# Altium PCB 4th_main.PcbDoc (part 2 of 3)
Units mm, origin at the board's own origin, x right, y up, seen from the top; angles counter-clockwise.
Board outline 130 x 106.5 mm, 2 copper layers (Top Layer, Bottom Layer); 288 components, 276 nets, 1062 pads, 448 vias.
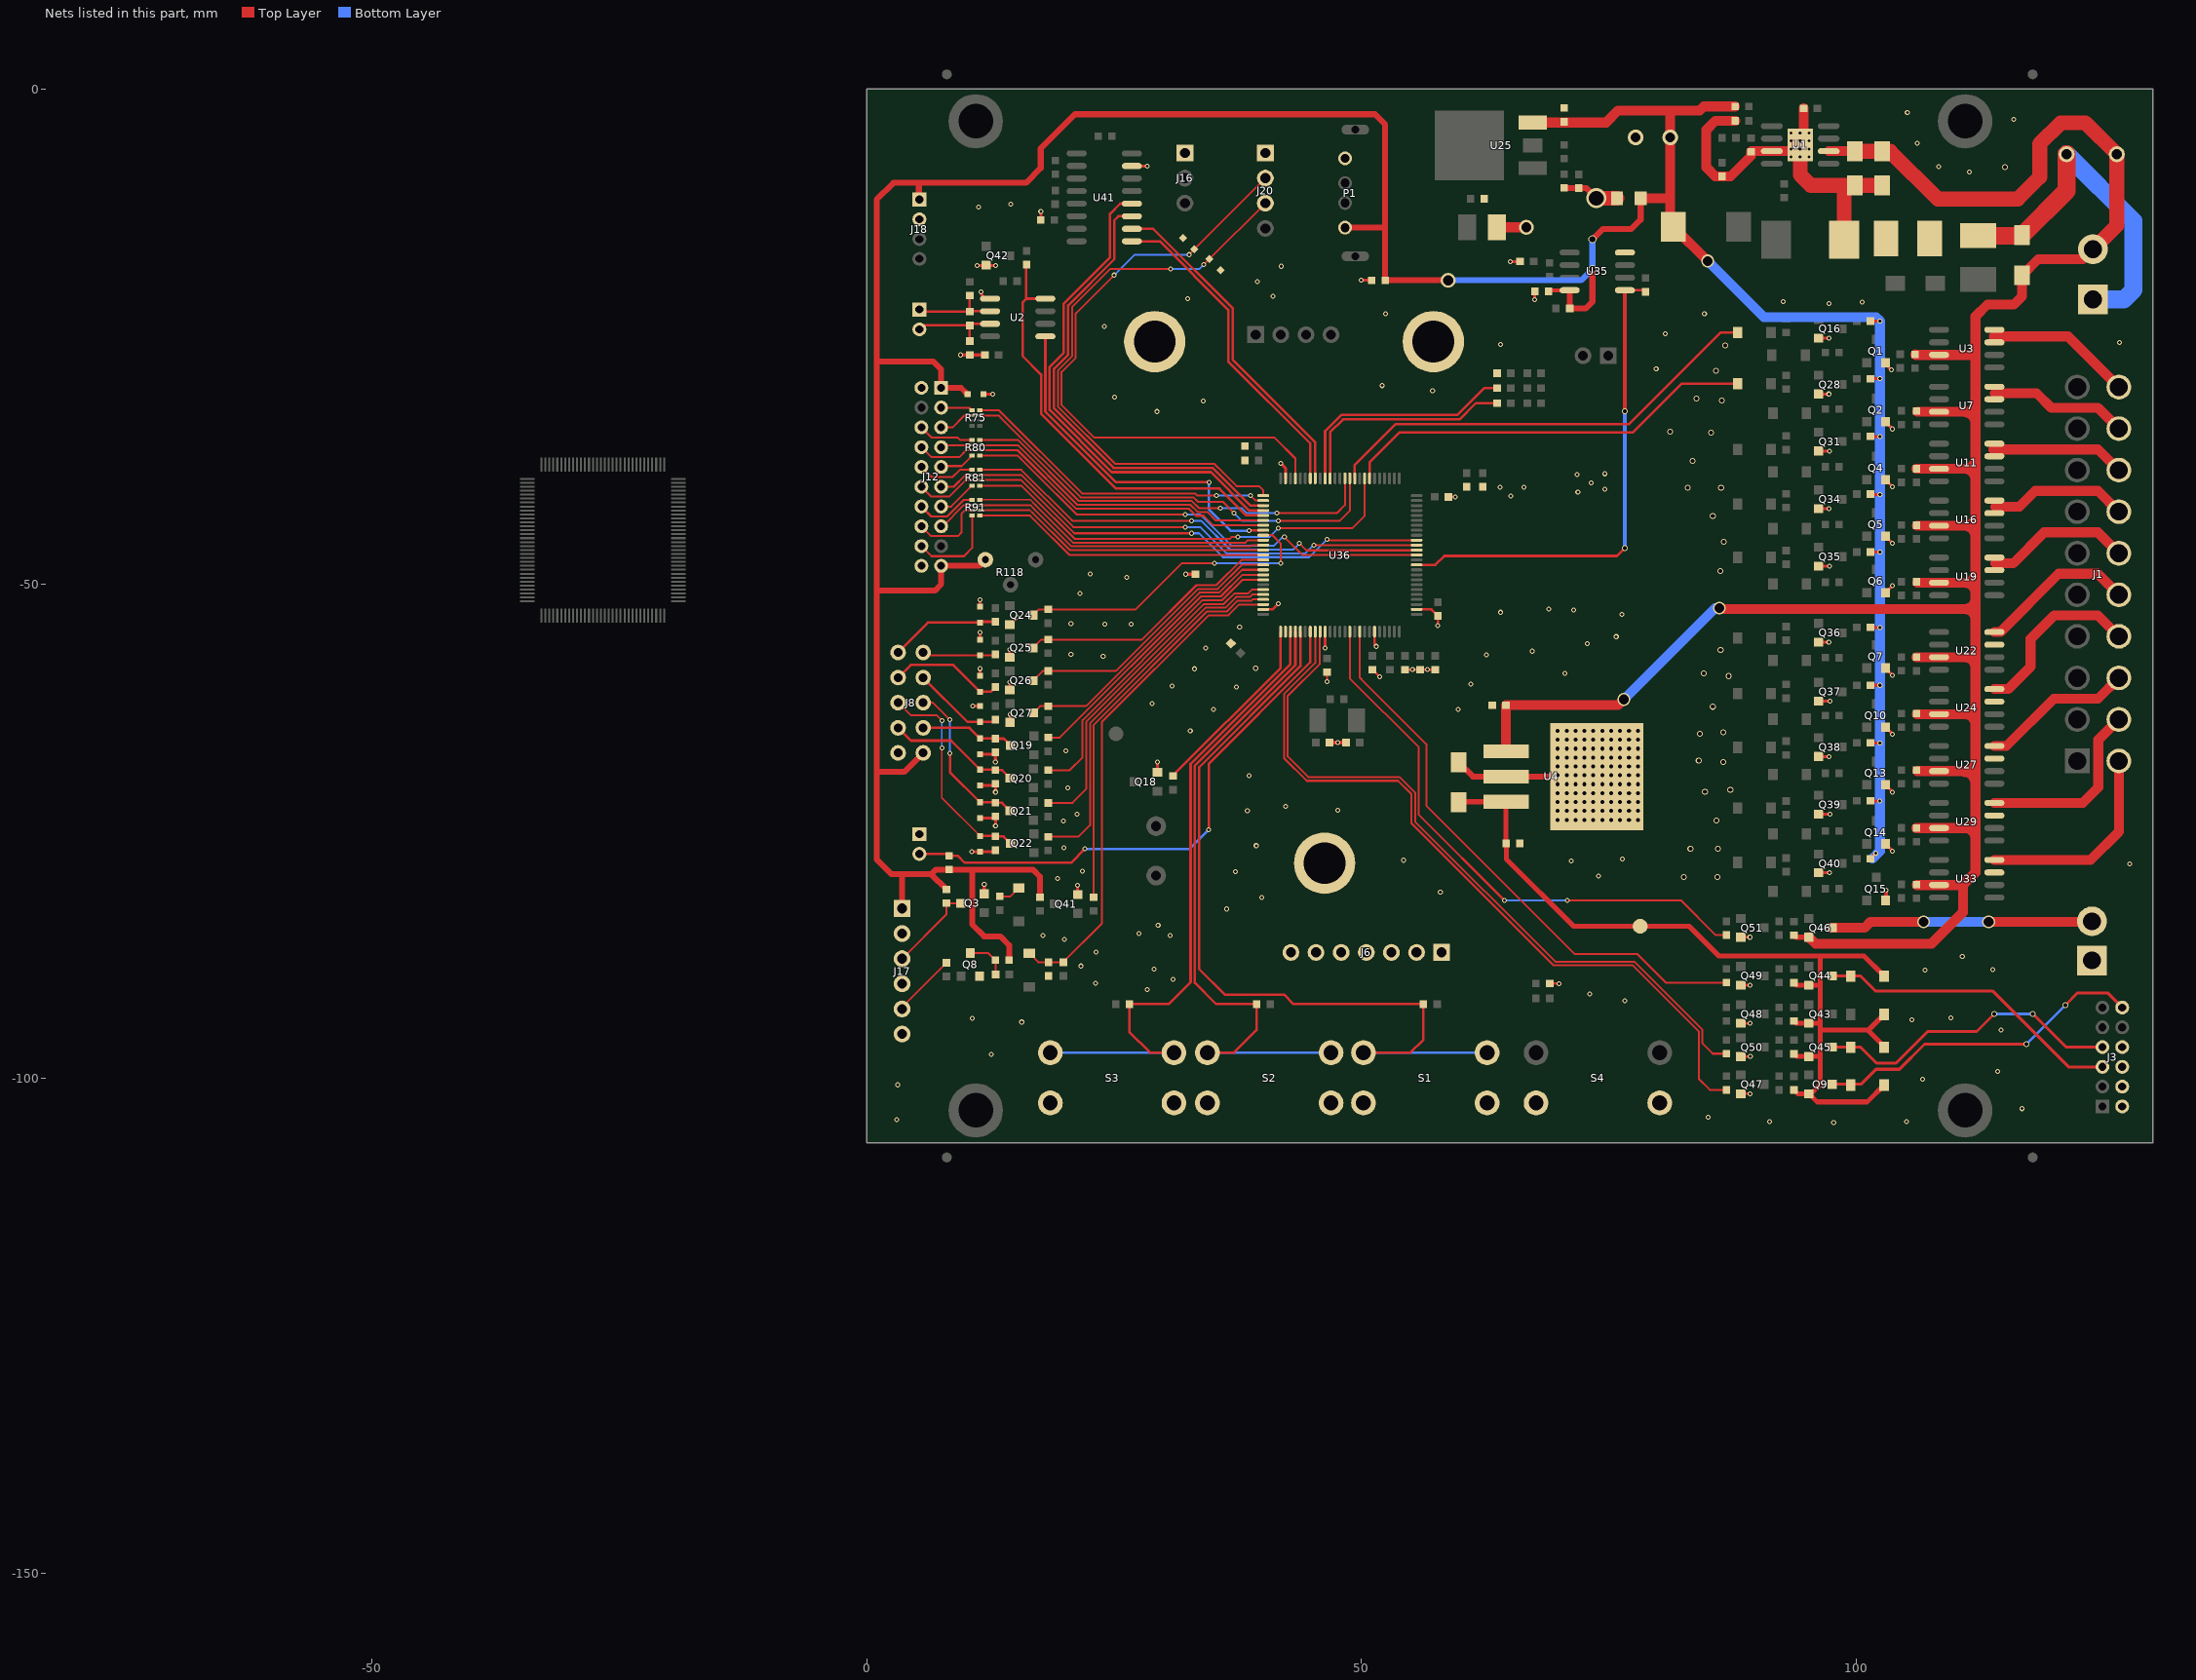
[diagram p2: the nets of this part, all layers, seen from the top]

## Via types
v1: diameter 0.5, hole 0.3, Top Layer to Bottom Layer, tented both sides, 259 vias
v2: diameter 0.6, hole 0.4, Top Layer to Bottom Layer, tented both sides, 152 vias
v3: diameter 1.3, hole 1, Top Layer to Bottom Layer, tented both sides, 13 vias
v4: diameter 1, hole 0.7, Top Layer to Bottom Layer, tented both sides, 10 vias
v5: diameter 0.8, hole 0.6, Top Layer to Bottom Layer, tented both sides, 5 vias
v6: diameter 0.9, hole 0.6, Top Layer to Bottom Layer, tented both sides, 5 vias
v7: diameter 1, hole 0.6, Top Layer to Bottom Layer, tented both sides, 3 vias
v8: diameter 2, hole 1.5, Top Layer to Bottom Layer, tented both sides, 1 vias

## Nets (pads, with @x,y where several pads share a name; then routed paths per layer and width w, separated by ;. In a path a pad name is that pad's centre, name@x,y a point inside that pad or via, vN(x,y) a via of type N, cw(c..) or ccw(c..) an arc to the next point about the centre after c; other vN are vias at no path point) (continued)
5V: C21.1 C24.1 C30.1 C35.2 C36.1 D36.1 J8.10 J12.1 J12.10 J17.1 J18.1 L1.2 P1.1 pad.1@58.75,-19.329 R1.1 R10.1 R18.1 R27.1 R35.1 R37.1 R39.1 R43.1 R45.2 R47.1 R49.1 R51.2 R57.2 R58.2 R74.2 R112.2 R118.3 U25.3 U35.8 | length 379.2
  Top Layer w0.3: R49.1@101.431,-77.794 v1(101.964,-77.261) ; R47.1@101.431,-71.952 v1(102.371,-71.952) ; R43.1@101.431,-66.11 v1(102.396,-66.11) ; R39.1@101.431,-60.268 v1(102.396,-60.268) ; R37.1@101.431,-54.426 v1(102.396,-54.426) ; R35.1@101.431,-46.806 v1(102.396,-46.806) ; R27.1@101.431,-40.964 v1(102.396,-40.964) ; R18.1@101.431,-35.122 v1(102.396,-35.122) ; R10.1@101.431,-29.28 v1(102.396,-29.28) ; R1.1@101.431,-23.438 v1(102.396,-23.438)
  Top Layer w0.4: C35.2@68.897,-20.449 69.019,-20.327 U35.8@71.032,-20.327
  Top Layer w0.6: J17.1@3.56,-82.829 3.56,-79.422 3.607,-79.375 ; J18.1@5.308,-11.158 5.258,-11.108 5.258,-9.47 ; J8.10@5.693,-67.107 3.767,-69.033 0.979,-69.033 ; R45.2@8.042,-80.912 6.506,-79.375 ; D36.1@10.178,-30.857 9.516,-30.195 J12.1@7.508,-30.195 7.508,-28.352 6.685,-27.529 0.979,-27.529 ; 10.631,-78.991 10.631,-84.43 11.851,-85.649 13.476,-85.649 14.378,-86.551 R58.2@14.378,-88.063 ; R118.3@11.972,-47.568 11.346,-48.195 J12.10@7.508,-48.195 7.508,-50.049 6.863,-50.694 0.979,-50.694 ; R57.2@17.491,-81.699 17.491,-79.605 16.816,-78.931 6.95,-78.931 6.506,-79.375 ; P1.1@48.336,-13.998 52.316,-13.998 ; C36.1@52.389,-19.329 v3(58.75,-19.329) ; C36.1@52.389,-19.304 52.389,-3.581 51.343,-2.536 21.024,-2.536 17.566,-5.994 17.566,-7.976 16.071,-9.47 5.258,-9.47 ; U35.8@71.032,-20.327 71.032,-22.175 R74.2@71.031,-22.176 72.642,-22.176 73.33,-21.488 v5(73.33,-18.186) ; v5(73.33,-15.189) 74.397,-14.122 77.267,-14.122 78.207,-13.183 C24.1@78.207,-11.024 ; 0.979,-69.033 0.979,-50.694 ; 0.979,-69.033 0.979,-77.872 2.482,-79.375 3.607,-79.375 ; 0.979,-50.694 0.979,-27.529 ; 0.979,-27.529 0.979,-11.163 2.672,-9.47 5.258,-9.47 ; 3.607,-79.375 6.506,-79.375
  Top Layer w1: U25.3@67.304,-3.37 74.71,-3.37 75.921,-2.159 81.178,-2.159 ; C24.1@78.207,-11.024 81.1,-11.024 ; v3(84.977,-17.374) L1.2@81.517,-13.913 81.201,-13.598 C30.1@81.201,-4.877 81.201,-2.182 81.178,-2.159 ; R51.2@87.753,-1.745 84.589,-1.745 84.176,-2.159 81.178,-2.159
  Bottom Layer w0.6: v3(58.75,-19.329) 72.187,-19.329 v5(73.33,-18.186) v5(73.33,-15.189)
  Bottom Layer w1: v3(84.977,-17.374) 90.661,-23.057 102.015,-23.057 v1(102.396,-23.438) v1(102.396,-29.28) v1(102.396,-35.122) v1(102.396,-40.964) v1(102.396,-46.806) v1(102.396,-54.426) v1(102.396,-60.268) v1(102.396,-66.11) 102.396,-77.032 101.634,-77.794
12V: C4.1 D2.2 D9.2 D11.2 D18.2 D22.2 pad.0@78.156,-84.633 Q9.2 Q43.2 Q44.2 Q45.2 R61.2 R62.2 R66.2 R67.2 U4.3 | length 96.3
  Top Layer w0.5: D2.2@59.858,-72.04 U4.3@64.603,-72.04 C4.1@64.603,-76.16 ; C4.1@64.618,-76.251 64.618,-77.826 71.425,-84.633 pad.0@78.156,-84.633 83.109,-84.633 86.106,-87.63 96.368,-87.63 ; R61.2@93.699,-101.181 94.077,-101.559 Q9.2@95.218,-101.559 ; R67.2@93.699,-97.523 93.976,-97.8 Q45.2@95.218,-97.8 96.357,-97.8 ; R62.2@93.699,-94.221 93.925,-94.447 Q43.2@95.218,-94.447 96.357,-94.447 ; R66.2@93.699,-90.335 93.95,-90.587 Q44.2@95.218,-90.587 96.332,-90.587 ; D9.2@102.776,-93.515 D9.2@102.819,-93.472 ; D22.2@102.789,-100.665 D22.2@102.819,-100.635 ; D22.2@102.81,-100.686 101.108,-102.387 96.046,-102.387 Q9.2@95.218,-101.559 ; D9.2@102.81,-93.548 101.235,-95.123 101.168,-95.123 ; D11.2@102.81,-89.662 100.778,-87.63 96.368,-87.63 ; D18.2@102.819,-96.85 102.819,-96.774 101.168,-95.123 ; Q9.2@95.218,-101.559 95.443,-101.559 96.368,-100.635 96.368,-95.123 ; 96.368,-95.123 96.368,-87.63 ; 96.368,-95.123 101.168,-95.123
24V: C3.1 C27.1 C28.1 C29.1 D23.2 J21.2 Q46.2 R7.1 R16.1 R29.1 R40.1 R53.1 R64.1 R71.1 R78.2 R82.1 R88.1 R96.1 U1.2 U3.3 U4.1 U7.3 U11.3 U16.3 U19.3 U22.3 U24.3 U27.3 U29.3 U33.3 | length 286.1
  Top Layer w0.5: R78.2@93.699,-85.535 93.9,-85.735 Q46.2@95.218,-85.735
  Top Layer w1: U4.1@64.592,-66.949 C3.1@64.592,-62.281 75.921,-62.281 v3(76.505,-61.697) ; v3(86.157,-52.476) 86.241,-52.56 111.964,-52.56 112.048,-52.476 ; Q46.2@95.218,-85.735 95.868,-86.385 107.62,-86.385 110.779,-83.226 110.779,-80.46 ; U1.2@97.212,-6.269 C28.1@99.876,-6.269 ; R7.1@105.952,-26.817 106.001,-26.866 U3.3@108.368,-26.866 112.015,-26.866 ; R88.1@106.086,-74.703 U29.3@108.368,-74.703 112.004,-74.703 ; R64.1@106.086,-57.431 U22.3@108.368,-57.431 111.965,-57.431 ; R29.1@106.086,-38.381 U11.3@108.368,-38.381 111.92,-38.381 ; R96.1@106.128,-80.46 U33.3@108.368,-80.46 110.779,-80.46 ; R71.1@106.128,-63.188 U24.3@108.368,-63.188 112.047,-63.188 ; R40.1@106.128,-44.138 U16.3@108.368,-44.138 111.99,-44.138 ; R82.1@106.171,-68.945 U27.3@108.368,-68.945 112.007,-68.945 ; R53.1@106.171,-49.895 U19.3@108.368,-49.895 111.032,-49.895 ; R16.1@106.171,-32.623 U7.3@108.368,-32.623 112.038,-32.623 ; 111.032,-57.431 cw(c110.947,-58.532) 112.048,-58.617 ; 111.962,-49.895 111.032,-49.895 ; 112.014,-70.224 ccw(c110.913,-70.139) 110.998,-69.037 ccw(c110.956,-67.98) 112.014,-67.938 ; 112.039,-45.332 ccw(c110.938,-45.247) 111.023,-44.145 ccw(c110.982,-43.088) 112.039,-43.046 ; 112.039,-39.566 ccw(c110.938,-39.481) 111.023,-38.379 ccw(c110.982,-37.322) 112.039,-37.28 ; 112.039,-33.851 ccw(c110.938,-33.766) 111.023,-32.664 ccw(c110.982,-31.607) 112.039,-31.565 ; 112.048,-75.889 ccw(c110.947,-75.804) 111.032,-74.703 ccw(c110.99,-73.645) 112.048,-73.603 ; 112.048,-64.375 ccw(c110.947,-64.289) 111.032,-63.188 ccw(c110.99,-62.13) 112.048,-62.089 ; 112.048,-51.453 cw(c110.99,-51.495) 111.032,-52.553 cw(c110.947,-53.654) 112.048,-53.568 ; 112.048,-48.796 cw(c110.99,-48.838) 111.032,-49.895 ; J21.2@123.927,-16.18 122.911,-17.196 118.382,-17.196 D23.2@116.764,-18.814 116.764,-20.93 115.926,-21.768 113.259,-21.768 112.048,-22.978 112.048,-50.911 ; 110.779,-80.46 112.048,-79.191 112.048,-53.568 ; 111.032,-49.895 cw(c110.947,-50.997) 112.048,-50.911 ; 112.048,-53.568 112.048,-52.476 ; 112.048,-52.476 112.048,-51.082 ccw(c110.947,-50.997) 112.048,-50.911
  Top Layer w1.5: C28.1@99.876,-6.269 99.897,-6.291 C29.1@102.623,-6.291 103.42,-6.291 108.229,-11.1 116.335,-11.1 118.542,-8.893 118.542,-5.537 120.675,-3.404 123.165,-3.404 C27.1@126.34,-6.579 126.34,-13.767 J21.2@123.927,-16.18
  Bottom Layer w1: v3(76.505,-61.697) 85.725,-52.476 v3(86.157,-52.476)
485_A: J2.1 R70.1 R77.2 U2.6 | length 8.9
  Top Layer w0.254: J2.1@5.308,-22.282 5.524,-22.499 R70.1@10.397,-22.499 ; R77.2@10.396,-20.86 10.396,-22.497 R70.1@10.397,-22.499 ; U2.6@12.452,-22.449 10.447,-22.449 R70.1@10.397,-22.499
485_B: J2.2 R63.1 R70.2 U2.7 | length 9
  Top Layer w0.254: J2.2@5.308,-24.282 5.707,-23.883 R70.2@10.396,-23.883 ; R63.1@10.397,-25.476 10.396,-25.475 R70.2@10.396,-23.883 ; U2.7@12.452,-23.719 10.559,-23.719 R70.2@10.396,-23.883
485_RX: U2.1 U36.83 | length 36.3
  Top Layer w0.254: U2.1@18.04,-24.989 18.04,-32.609 25.176,-39.745 v1(34.578,-39.745) ; v1(38.642,-44.647) 38.694,-44.596 U36.83@40.061,-44.596
  Bottom Layer w0.254: v1(34.578,-39.745) 34.578,-42.488 36.737,-44.647 v1(38.642,-44.647)
485_TX: R76.1 U2.4 U36.80 | length 44.7
  Top Layer w0.254: R76.1@16.129,-17.729 16.111,-17.747 16.111,-21.179 ; U2.4@18.04,-21.179 16.111,-21.179 ; U36.80@40.061,-43.096 38.335,-43.096 35.619,-40.38 25.2,-40.38 17.608,-32.788 17.608,-28.846 15.731,-26.969 15.731,-21.559 16.111,-21.179
AGND: C27.2 D23.1 J21.1 R103.1 R105.1 | length 35.4
  Top Layer w1.8: R105.1@112.319,-14.818 D23.1@116.71,-14.818 ; D23.1@116.764,-14.764 121.26,-10.269 C27.2@121.26,-6.579
  Bottom Layer w1.8: C27.2@121.26,-6.579 128.016,-13.335 128.016,-20.295 127.051,-21.26 J21.1@123.927,-21.26
BEEP: R119.1 U36.1 | length 19.1
  Top Layer w0.254: R119.1@30.937,-69.444 30.937,-69.378 41.811,-58.504 U36.1@41.811,-54.846
BUTTON1: R149.2 S1.1 U36.5 | length 85.2
  Top Layer w0.254: U36.5@43.811,-54.846 43.811,-58.336 33.579,-68.569 33.579,-88.951 36.17,-91.542 42.164,-91.542 43.128,-92.505 R149.2@56.248,-92.505 56.248,-96.101 54.94,-97.409 S1.1@50.189,-97.409
  Bottom Layer w0.254: S1.1@50.189,-97.409 S1.1@62.689,-97.409
BUTTON2: R150.2 S2.1 U36.4 | length 67.9
  Top Layer w0.254: S2.1@34.415,-97.409 37.109,-97.409 39.383,-95.136 R150.2@39.383,-92.505 35.304,-92.505 33.147,-90.348 33.147,-68.39 43.311,-58.226 U36.4@43.311,-54.846
  Bottom Layer w0.254: S2.1@34.415,-97.409 S2.1@46.915,-97.409
BUTTON3: R151.2 S3.1 U36.3 | length 67.4
  Top Layer w0.254: S3.1@31.04,-97.409 28.626,-97.409 26.53,-95.313 R151.2@26.53,-92.505 30.505,-92.505 32.715,-90.295 32.715,-68.211 42.792,-58.134 42.792,-54.865 U36.3@42.811,-54.846
  Bottom Layer w0.254: S3.1@18.54,-97.409 S3.1@31.04,-97.409
BUTTON4: U36.2
CARD_RX: U36.69 U41.9 | length 33.1
  Top Layer w0.254: U41.9@26.783,-15.385 29.608,-15.385 36.53,-22.307 36.53,-27.529 44.811,-35.81 U36.69@44.811,-39.346
CARD_TX: U36.68 U41.10 | length 34.2
  Top Layer w0.254: U41.10@26.783,-14.115 28.949,-14.115 36.962,-22.128 36.962,-27.35 45.311,-35.699 U36.68@45.311,-39.346
COLD_EN: R100.1 U36.17 | length 58.1
  Top Layer w0.2: U36.17@49.811,-54.846 49.811,-59.5 50.243,-59.931 56.54,-66.229 56.54,-72.441 71.558,-87.459 77.885,-87.459 80.748,-90.322 R100.1@86.868,-90.322
COLD_PWR: D11.1 J3.3 Q44.3 | length 31.1
  Top Layer w0.3: Q44.3@97.568,-89.637 99.399,-89.637 D11.1@99.425,-89.662 100.432,-89.662 101.93,-91.161 113.767,-91.161 121.451,-98.845 J3.3@124.882,-98.845
DOOR: J10.2 R112.1 U36.7 | length 55.6
  Top Layer w0.254: J10.2@5.536,-77.546 J10.2@5.308,-77.318 8.112,-77.318 R112.1@8.311,-77.517 9.2,-77.517 9.886,-78.202 20.654,-78.202 v1(22.047,-76.81) ; v1(34.544,-74.879) 34.544,-68.214 44.811,-57.947 U36.7@44.811,-54.846
  Bottom Layer w0.254: v1(22.047,-76.81) 32.614,-76.81 v1(34.544,-74.879)
DROP_CT: R117.1 U36.97 | length 39.8
  Top Layer w0.2: R117.1@22.925,-81.686 22.925,-64.268 34.387,-52.806 36.383,-52.806 37.47,-51.718 38.86,-51.718 38.982,-51.596 U36.97@40.061,-51.596
DROP_CT_OUT: D55.2 R59.1 | length 2.3
  Top Layer w0.2: R59.1@13.425,-81.61 14.513,-81.61 D55.2@15.367,-80.756
DROP_EN_IN: J17.3 Q3.3 R45.1 | length 8.9
  Top Layer w0.2: J17.3@3.56,-87.909 8.041,-83.429 R45.1@8.041,-82.296 Q3.3@9.507,-82.296
DROP_SIG: C37.1 D8.1 R121.1 U36.98 | length 51
  Top Layer w0.2: D8.1@16.408,-87.36 17.314,-88.265 C37.1@18.353,-88.265 R121.1@19.852,-88.265 23.738,-84.379 23.738,-63.99 34.544,-53.184 36.539,-53.184 37.627,-52.096 U36.98@40.061,-52.096
DROP_SIG_IN: J17.5 R60.1 | length 6.5
  Top Layer w0.2: J17.5@3.56,-92.989 3.56,-92.8 R60.1@8.044,-88.316
DROP_SIG_OUT: Q8.3 R58.1 R122.2 | length 4.3
  Top Layer w0.2: Q8.3@10.454,-87.344 12.276,-87.344 R58.1@12.994,-88.062 12.994,-89.495 R122.2@13.006,-89.508
GLASS_EN: R95.1 U36.8 | length 77.2
  Top Layer w0.2: U36.8@45.311,-54.846 45.311,-58.019 42.158,-61.172 42.158,-67.636 44.446,-69.923 53.68,-69.923 55.029,-71.272 55.029,-74.207 69.414,-88.592 77.415,-88.592 84.074,-95.25 84.074,-100.05 85.192,-101.168 R95.1@86.868,-101.168
GLASS_PWR: D22.1 J3.12 Q9.3 | length 33.8
  Top Layer w0.3: Q9.3@97.568,-100.609 100.482,-100.609 102.006,-99.085 104.369,-99.085 106.909,-96.545 v2(117.196,-96.545) ; v2(121.133,-92.608) 122.377,-91.364 125.401,-91.364 J3.12@126.882,-92.845
  Bottom Layer w0.3: v2(117.196,-96.545) v2(121.133,-92.608)
GND: C3.2 C4.2 C21.2 C22.2 C23.2 C24.2 C28.2 C29.2 C30.2 C35.1 C36.2 C37.2 C39.2 C42.2 C43.2 C44.2 C45.2 C46.2 C47.2 C48.2 C49.2 C50.2 C51.2 C52.2 C53.2 C54.2 C55.1 C56.2 C57.2 C59.2 C60.2 C61.2 C62.1 D2.1 D16.1 D21.2 D24.2 D25.2 D28.2 D29.2 D30.2 D31.2 D32.2 D33.2 D34.2 D35.2 D36.2 J3.7 J3.8 J3.9 J3.10 J5.1 J6.1 J6.2 J6.3 J6.4 J6.5 J6.6 J6.7 J8.9 J10.1 J12.11 J12.20 J16.1 J17.2 J17.4 J17.6 J18.2 J20.1 P1.4 pad.0@66.65,-13.97 pad.5 pad.6 pad.7 Q1.2 Q2.2 Q3.2 Q4.2 Q5.2 Q6.2 Q7.2 Q8.2 Q10.2 Q13.2 Q14.2 Q15.2 Q16.2 Q18.2 Q24.2 Q25.2 Q26.2 Q27.2 Q28.2 Q31.2 Q34.2 Q35.2 Q36.2 Q37.2 Q38.2 Q39.2 Q40.2 Q41.2 Q42.2 Q47.2 Q48.2 Q49.2 Q50.2 Q51.2 R56.1 R63.2 R84.1 R103.2 R108.1 R111.2 R128.1 R129.1 R130.1 R131.1 S1.2 S2.2 S3.2 S4.2 U1.7 U1.9 U2.5 U4.2 U4.4 U35.4 U36.10 U36.20 U36.27 U36.74 U36.99 U41.15 | length 136.4
  Top Layer w0.2: v1(46.514,-59.886) C47.2@46.514,-58.935
  Top Layer w0.254: U36.99@40.061,-52.596 40.98,-52.596 v1(41.563,-52.013) ; v1(46.311,-56.508) U36.10@46.311,-54.846 ; C48.2@51.086,-58.681 v1(51.83,-59.425) ; U36.20@51.312,-54.846 51.312,-56.174 v1(51.469,-56.331) v1@51.342,-56.331 ; C54.2@54.388,-58.681 C56.2@55.912,-58.681 C42.2@57.436,-58.681 ; U36.27@55.561,-52.596 57.067,-52.596 C49.2@57.627,-53.156 ; v1(57.707,-54.256) C49.2@57.707,-53.251 ; C43.2@58.771,-41.22 v1(59.472,-41.22) ; C57.2@69.013,-90.426 v1(69.95,-90.426) ; Q47.2@88.335,-101.559 v1(89.271,-101.559) ; Q50.2@88.335,-97.8 v1(89.291,-97.8) ; Q48.2@88.335,-94.447 v1(89.271,-94.447) ; Q49.2@88.335,-90.587 v1(89.266,-90.587) ; Q51.2@88.335,-85.735 v1(89.245,-85.735)
  Top Layer w0.3: v1(9.463,-26.873) C62.1@11.927,-26.873 ; v1(10.613,-77.096) D28.2@11.439,-77.096 R131.1@12.877,-77.096 ; v1(10.715,-62.364) D32.2@11.439,-62.364 ; v1(11.121,-17.838) Q42.2@12.097,-17.838 ; D29.2@11.439,-73.692 R130.1@12.826,-73.692 ; D30.2@11.439,-70.39 R129.1@12.826,-70.39 ; D31.2@11.439,-67.241 R128.1@12.798,-67.241 ; D33.2@11.439,-59.316 v1(11.439,-58.592) ; D34.2@11.439,-55.658 v1(11.439,-54.934) ; D35.2@11.439,-52.331 v1(11.439,-51.607) ; v1(11.546,-20.498) 11.546,-20.73 U2.5@12.005,-21.189 ; D36.2@11.778,-30.857 v1(12.73,-30.857) ; Q3.2@11.857,-81.346 v1(11.857,-80.372) ; Q42.2@12.067,-17.784 12.133,-17.85 v1(13.013,-17.85) ; U2.5@12.452,-21.179 U2.5@12.005,-21.189 ; U2.5@12.562,-21.069 12.439,-21.162 U2.5@12.005,-21.189 ; v1(12.988,-68.015) R128.1@12.988,-67.241 ; v1(12.991,-74.489) R130.1@12.991,-73.692 ; v1(12.991,-71.06) R129.1@12.991,-70.39 ; Q26.2@14.444,-60.736 v1(14.444,-59.955) ; Q25.2@14.444,-57.434 v1(14.444,-56.645) ; Q24.2@14.444,-54.132 v1(15.166,-53.41) ; Q27.2@14.48,-64.012 v1(14.48,-63.221) ; C46.2@17.573,-13.226 v1(17.573,-12.351) ; Q41.2@21.306,-81.422 v1(21.306,-80.486) ; U41.15@26.783,-7.765 v1(28.317,-7.765) ; Q18.2@29.369,-69.078 v1(29.369,-68.04) ; v1(32.239,-49.04) R111.2@33.219,-49.04 ; v1(41.823,-37.821) 42.311,-38.309 U36.74@42.311,-39.346 ; v1(49.949,-19.328) C36.2@50.903,-19.328 ; v1(65.024,-17.424) R108.1@66.015,-17.424 ; v1(67.513,-21.285) C35.1@67.513,-20.447 ; Q40.2@96.192,-79.227 v1(97.301,-79.227) ; Q39.2@96.192,-73.283 v1(97.326,-73.283) ; Q38.2@96.192,-67.467 v1(97.25,-67.467) ; Q37.2@96.192,-61.879 v1(97.326,-61.879) ; Q36.2@96.192,-55.91 v1(97.225,-55.91) ; Q35.2@96.192,-48.214 v1(97.275,-48.214) ; Q34.2@96.192,-42.422 v1(97.25,-42.422) ; Q31.2@96.192,-36.58 v1(97.275,-36.58) ; Q28.2@96.192,-30.815 v1(97.225,-30.815) ; Q16.2@96.192,-25.176 v1(97.255,-25.176) ; Q14.2@102.965,-76.302 103.666,-77.003 v1(103.666,-77.032) ; Q13.2@102.965,-70.333 103.666,-71.034 v1(103.666,-71.063) ; Q10.2@102.965,-64.491 103.666,-65.192 v1(103.666,-65.221) ; Q7.2@102.965,-58.522 102.965,-58.551 v1(103.666,-59.252) ; Q6.2@102.965,-50.931 Q6.2@102.965,-50.902 v1(103.652,-50.216) ; Q5.2@102.965,-45.187 102.965,-45.216 v1(103.666,-45.917) ; Q4.2@102.965,-39.472 102.965,-39.501 v1(103.666,-40.202) ; Q2.2@102.965,-33.63 102.965,-33.659 v1(103.666,-34.36) ; Q1.2@102.965,-27.661 102.965,-27.817 v1(103.539,-28.391)
  Top Layer w0.4: C45.2@46.757,-66.061 C55.1@48.419,-66.061 ; Q15.2@102.965,-82.017 103.031,-81.951 v1(103.031,-80.969)
  Top Layer w0.6: D2.1@59.799,-68.049 61.251,-69.5 U4.2@64.603,-69.5 U4.4@73.763,-69.5 ; R84.1@70.485,-9.982 72.695,-9.982 v8(73.736,-11.024)
  Top Layer w1: C22.2@63.683,-13.97 v3(66.65,-13.97) ; R56.1@87.766,-3.195 85.759,-3.195 84.845,-4.109 84.845,-7.919 85.746,-8.821 C61.2@86.443,-8.821 87.296,-8.821 89.364,-6.752 C60.2@89.364,-6.331 89.426,-6.269 U1.7@91.464,-6.269 U1.9@93.582,-6.269 ; U1.9@94.687,-4.592 C59.2@94.687,-1.948
  Top Layer w1.5: v8(73.736,-11.024) C24.2@75.807,-11.024 ; U1.9@94.344,-5.633 94.344,-8.67 95.394,-9.72 98.51,-9.72 ; D16.1@98.77,-14.726 98.77,-9.98 98.51,-9.72 ; C29.2@102.623,-9.72 C28.2@99.855,-9.72 98.51,-9.72
  Top Layer w1.8: D16.1@98.77,-15.234 D16.1@98.77,-14.726 ; R103.2@102.914,-14.726 R103.2@103.015,-14.828
  other v1: 97.714,-104.47 91.237,-104.394 105.08,-104.394 3.023,-104.191 85.039,-103.937 116.764,-103.073 3.099,-100.66 106.705,-100.076 114.275,-99.289 12.573,-97.587 114.656,-95.123 15.646,-94.31 105.613,-94.107 10.668,-93.955 109.55,-93.878 76.606,-92.177 73.05,-91.491 28.346,-91.034 23.114,-90.399 30.963,-89.992 106.934,-89.078 113.817,-89.002 29.032,-88.951 21.641,-88.646 110.719,-87.681 23.165,-87.249 19.964,-85.954 17.805,-85.573 30.658,-85.573 27.508,-85.369 29.439,-84.531 36.373,-82.88 39.929,-81.737 57.963,-81.178 19.279,-79.781 73.965,-79.553 37.236,-79.096 21.793,-79.045 127.66,-78.334 71.196,-78.029 54.254,-77.953 76.378,-77.851 19.914,-76.708 39.345,-76.479 19.863,-73.99 21.234,-73.279 38.456,-72.949 47.6,-72.923 42.342,-72.517 20.295,-70.637 38.608,-69.418 20.117,-66.904 47.583,-66.061 32.69,-64.872 35.027,-62.713 59.741,-62.687 28.829,-62.103 37.338,-60.427 30.836,-60.325 61.062,-60.147 70.561,-59.055 55.152,-58.681 56.676,-58.681 33.096,-58.598 39.294,-58.547 23.876,-57.353 62.611,-57.201 20.625,-57.125 67.234,-56.82 34.239,-56.515 72.822,-56.058 75.743,-55.347 37.668,-54.381 26.721,-54.102 24.054,-54.077 20.625,-54.051 76.302,-53.111 64.059,-52.883 71.425,-52.654 68.936,-52.553 21.539,-50.978 26.264,-49.378 22.581,-48.997 65.1,-41.148 71.857,-40.742 74.6,-40.462 64.008,-40.234 66.421,-40.234 73.203,-39.802 71.78,-38.964 74.574,-38.887 29.312,-32.588 34.011,-31.521 25.019,-31.115 57.175,-30.505 52.07,-29.972 79.781,-28.27 64.059,-25.806 126.594,-25.629 80.696,-24.714 23.978,-23.978 52.4,-22.708 84.658,-22.708 97.257,-21.692 100.584,-21.539 92.608,-21.463 32.436,-21.184 41.021,-20.93 39.472,-19.456 41.859,-17.907 11.303,-11.938 14.554,-11.633 111.43,-8.382 108.331,-7.849 93.414,-6.838 94.314,-6.838 95.214,-6.838 93.414,-6.038 94.314,-6.038 95.214,-6.038 106.147,-5.461 93.414,-5.238 94.314,-5.238 95.214,-5.238 93.414,-4.438 94.314,-4.438 95.214,-4.438 115.9,-3.048 105.156,-2.362
  other v2: 82.575,-79.654 85.954,-79.654 83.236,-76.81 86.03,-76.81 85.852,-73.939 69.825,-73.872 70.725,-73.872 71.625,-73.872 72.525,-73.872 73.425,-73.872 74.325,-73.872 75.225,-73.872 76.125,-73.872 77.025,-73.872 77.925,-73.872 69.825,-72.972 70.725,-72.972 71.625,-72.972 72.525,-72.972 73.425,-72.972 74.325,-72.972 75.225,-72.972 76.125,-72.972 77.025,-72.972 77.925,-72.972 69.825,-72.072 70.725,-72.072 71.625,-72.072 72.525,-72.072 73.425,-72.072 74.325,-72.072 75.225,-72.072 76.125,-72.072 77.025,-72.072 77.925,-72.072 69.825,-71.172 70.725,-71.172 71.625,-71.172 72.525,-71.172 73.425,-71.172 74.325,-71.172 75.225,-71.172 76.125,-71.172 77.025,-71.172 77.925,-71.172 84.709,-71.044 87.274,-70.841 69.825,-70.272 70.725,-70.272 71.625,-70.272 72.525,-70.272 73.425,-70.272 74.325,-70.272 75.225,-70.272 76.125,-70.272 77.025,-70.272 77.925,-70.272 69.825,-69.372 70.725,-69.372 71.625,-69.372 72.525,-69.372 73.425,-69.372 74.325,-69.372 75.225,-69.372 76.125,-69.372 77.025,-69.372 77.925,-69.372 69.825,-68.472 70.725,-68.472 71.625,-68.472 72.525,-68.472 73.425,-68.472 74.325,-68.472 75.225,-68.472 76.125,-68.472 77.025,-68.472 77.925,-68.472 86.563,-68.021 84.074,-67.894 69.825,-67.572 70.725,-67.572 71.625,-67.572 72.525,-67.572 73.425,-67.572 74.325,-67.572 75.225,-67.572 76.125,-67.572 77.025,-67.572 77.925,-67.572 69.825,-66.672 70.725,-66.672 71.625,-66.672 72.525,-66.672 73.425,-66.672 74.325,-66.672 75.225,-66.672 76.125,-66.672 77.025,-66.672 77.925,-66.672 69.825,-65.772 70.725,-65.772 71.625,-65.772 72.525,-65.772 73.425,-65.772 74.325,-65.772 75.225,-65.772 76.125,-65.772 77.025,-65.772 77.925,-65.772 84.176,-65.176 86.563,-65.024 69.825,-64.872 70.725,-64.872 71.625,-64.872 72.525,-64.872 73.425,-64.872 74.325,-64.872 75.225,-64.872 76.125,-64.872 77.025,-64.872 77.925,-64.872 85.496,-62.433 87.097,-59.334 84.582,-59.08 86.284,-56.718 86.258,-48.717 86.614,-45.771 85.496,-43.155 82.956,-40.31 86.335,-40.31 83.464,-37.567 85.344,-34.722 81.178,-34.646 86.411,-31.496 83.845,-31.267 85.827,-28.473 86.766,-25.908 115.037,-7.874
HOT_EN: R101.1 U36.9 | length 73.3
  Top Layer w0.2: U36.9@45.811,-54.846 45.783,-54.874 45.783,-58.082 42.536,-61.329 42.536,-67.479 44.602,-69.545 53.836,-69.545 55.407,-71.116 55.407,-74.051 69.571,-88.214 77.572,-88.214 84.451,-95.094 84.451,-96.466 85.496,-97.511 R101.1@86.868,-97.511
HOT_PWR: D18.1 J3.4 Q45.3 | length 31.4
  Top Layer w0.3: Q45.3@97.568,-96.85 100.432,-96.85 102.057,-98.476 104.013,-98.476 107.213,-95.275 112.166,-95.275 v2(113.944,-93.497) ; v2(117.856,-93.497) 121.203,-96.845 J3.4@124.882,-96.845
  Bottom Layer w0.3: v2(113.944,-93.497) v2(117.856,-93.497)
JTAG_SWCLK: D24.1 J20.3 U36.76 | length 59.3
  Top Layer w0.2: v1(30.709,-18.161) 24.602,-18.161 20.736,-22.027 20.736,-27.006 19.308,-28.434 19.308,-32.084 25.104,-37.88 35.113,-37.88 35.993,-38.76 37.366,-40.132 39.638,-40.132 40.061,-40.555 U36.76@40.061,-41.096 ; v1(34.03,-17.746) D24.1@34.613,-17.164 ; D24.1@34.627,-17.178 J20.3@40.273,-11.532
  Bottom Layer w0.2: v1(30.709,-18.161) 33.616,-18.161 v1(34.03,-17.746)
JTAG_SWOD: D25.1 J20.2 U36.72 | length 62.8
  Top Layer w0.2: v1(24.994,-18.796) 21.114,-22.676 21.114,-27.162 19.686,-28.59 19.686,-31.927 22.984,-35.226 41.197,-35.226 43.311,-37.34 U36.72@43.311,-39.346 ; v1(32.563,-16.727) D25.1@33.103,-16.187 ; D25.1@32.938,-16.327 J20.2@40.273,-8.992
  Bottom Layer w0.2: v1(24.994,-18.796) 27.063,-16.727 v1(32.563,-16.727)
KEY1: Q24.3 R136.1 U36.84 | length 31.2
  Top Layer w0.2: Q24.3@16.794,-53.182 17.379,-52.598 R136.1@18.322,-52.598 27.159,-52.598 31.807,-47.949 v1(35.111,-47.949) ; U36.84@40.061,-45.096 40.996,-45.096 41.817,-45.917 v1@41.817,-47.822
  Bottom Layer w0.2: v1(35.111,-47.949) v1(41.817,-47.949)
KEY1_IN: D35.1 J8.1 R141.1 | length 11.6
  Top Layer w0.254: J8.1@2.974,-56.617 3.153,-56.617 J8.1@3.153,-56.947 6.169,-53.931 D35.1@11.439,-53.931 11.527,-53.842 R141.1@12.988,-53.842
KEY2: Q25.3 R137.1 U36.89 | length 26.9
  Top Layer w0.2: Q25.3@16.794,-56.484 17.633,-55.646 R137.1@18.322,-55.646 27.808,-55.646 33.307,-50.147 35.302,-50.147 37.853,-47.596 U36.89@40.061,-47.596
KEY2_IN: D34.1 J8.2 R142.1 | length 7.6
  Top Layer w0.2: J8.2@5.693,-56.947 6.005,-57.258 D34.1@11.439,-57.258 R142.1@12.874,-57.258
  Top Layer w0.254: R142.1@12.817,-57.315 12.874,-57.258 R142.1@12.988,-57.144
KEY3: Q26.3 R138.1 U36.90 | length 28.1
  Top Layer w0.2: Q26.3@16.794,-59.786 17.76,-58.821 R138.1@18.322,-58.821 25.167,-58.821 33.463,-50.524 35.458,-50.524 37.887,-48.096 U36.90@40.061,-48.096
KEY3_IN: D33.1 J8.3 R143.1 | length 11.7
  Top Layer w0.254: J8.3@3.153,-59.487 4.428,-58.213 8.735,-58.213 D33.1@11.439,-60.916 12.518,-60.916 R143.1@12.988,-60.446
KEY4: Q27.3 R139.1 U36.91 | length 29.2
  Top Layer w0.2: Q27.3@16.83,-63.062 17.516,-62.377 R139.1@18.322,-62.377 22.145,-62.377 33.62,-50.902 35.615,-50.902 37.921,-48.596 U36.91@40.061,-48.596
KEY4_IN: D32.1 J8.4 R144.1 | length 9.2
  Top Layer w0.254: J8.4@5.693,-59.487 10.171,-63.964 D32.1@11.439,-63.964 12.772,-63.964 R144.1@12.988,-63.748
KEY5: R124.1 U36.92 | length 28.6
  Top Layer w0.2: R124.1@18.322,-65.552 19.504,-65.552 33.776,-51.28 35.771,-51.28 37.955,-49.096 U36.92@40.061,-49.096
KEY5_IN: D31.1 J8.8 Q19.3 R128.2 | length 9.6
  Top Layer w0.254: J8.8@5.693,-64.567 10.365,-64.567 D31.1@11.439,-65.641 12.964,-65.641 R128.2@12.99,-65.666 13.842,-65.666 Q19.3@14.516,-66.339
KEY6: R125.1 U36.93 | length 31.9
  Top Layer w0.2: R125.1@18.322,-68.854 20.498,-68.854 21.792,-67.56 21.792,-63.799 33.933,-51.658 35.899,-51.658 35.913,-51.672 37.989,-49.596 U36.93@40.061,-49.596
KEY6_IN: D30.1 J8.7 Q20.3 R129.2 | length 13.4
  Top Layer w0.254: J8.7@3.153,-64.567 4.445,-65.858 8.506,-65.858 D30.1@11.439,-68.79 12.942,-68.79 R129.2@12.993,-68.841 13.654,-68.841 Q20.3@14.48,-69.666
KEY7: R126.1 U36.95 | length 34.7
  Top Layer w0.2: R126.1@18.322,-72.156 20.774,-72.156 22.169,-70.76 22.169,-63.955 34.074,-52.05 36.07,-52.05 37.157,-50.963 38.547,-50.963 38.914,-50.596 U36.95@40.061,-50.596
KEY7_IN: D29.1 J8.6 Q21.3 R130.2 | length 16.4
  Top Layer w0.178: J8.6@5.693,-62.027 6.664,-62.027 v1(8.387,-63.75)
  Top Layer w0.254: v1(8.387,-67.128) 8.387,-69.041 D29.1@11.439,-72.092 12.942,-72.092 R130.2@12.993,-72.143 13.654,-72.143 Q21.3@14.48,-72.968
  Bottom Layer w0.178: v1(8.387,-67.128) v1(8.387,-63.75)
KEY8: R127.1 U36.96 | length 37.9
  Top Layer w0.2: R127.1@18.322,-75.585 21.38,-75.585 22.547,-74.418 22.547,-64.112 34.231,-52.428 36.226,-52.428 37.314,-51.34 38.704,-51.34 38.948,-51.096 U36.96@40.061,-51.096
KEY8_IN: D28.1 J8.5 Q22.3 R131.2 | length 21.8
  Top Layer w0.178: J8.5@3.153,-62.027 4.419,-63.293 7.041,-63.293 v1(7.574,-63.826) ; v1(7.574,-66.62) 7.574,-71.631 D28.1@11.439,-75.496
  Top Layer w0.254: D28.1@11.439,-75.496 12.936,-75.496 R131.2@12.993,-75.552 13.823,-75.552 Q22.3@14.516,-76.245
  Bottom Layer w0.178: v1(7.574,-66.62) v1(7.574,-63.826)
L_CS: J12.19 R91.4 | length 9.2
  Top Layer w0.2: J12.19@5.508,-46.195 6.528,-47.214 9.809,-47.214 10.632,-46.392 R91.4@10.632,-43.111
L_D0: J12.3 R75.2 | length 3.6
  Top Layer w0.2: J12.3@7.508,-34.195 8.656,-34.195 9.858,-32.993 R75.2@10.632,-32.993
L_D1: J12.13 R80.1 | length 5.6
  Top Layer w0.2: J12.13@5.508,-34.195 6.513,-35.2 9.149,-35.2 9.397,-35.448 R80.1@10.632,-35.448
L_D2: J12.4 R80.2 | length 3.2
  Top Layer w0.2: J12.4@7.508,-36.195 7.704,-35.999 R80.2@10.632,-35.999
L_D3: J12.14 R80.3 | length 5.8
  Top Layer w0.2: J12.14@5.508,-36.195 6.52,-37.207 9.327,-37.207 10.035,-36.498 R80.3@10.632,-36.498
L_D4: J12.5 R80.4 | length 3.7
  Top Layer w0.2: J12.5@7.508,-38.195 7.508,-38.102 9.579,-38.102 R80.4@10.632,-37.048
L_D5: J12.15 R81.1 | length 5.9
  Top Layer w0.2: J12.15@5.508,-38.195 6.527,-39.213 8.666,-39.213 9.4,-38.48 R81.1@10.632,-38.48
L_D6: J12.6 R81.2 | length 3.6
  Top Layer w0.2: J12.6@7.508,-40.195 8.776,-40.195 9.942,-39.03 R81.2@10.632,-39.03
L_D7: J12.16 R81.3 | length 6.2
  Top Layer w0.2: J12.16@5.508,-40.195 6.508,-41.195 8.311,-41.195 9.976,-39.529 R81.3@10.632,-39.529
L_NWAIT: J12.18 R91.3 | length 7.7
  Top Layer w0.2: J12.18@5.508,-44.195 6.496,-45.182 9.2,-45.182 9.555,-44.827 9.555,-42.922 9.917,-42.561 R91.3@10.632,-42.561
L_RD: J12.17 R91.1 | length 6.2
  Top Layer w0.2: J12.17@5.508,-42.195 6.514,-43.201 8.12,-43.201 9.811,-41.511 R91.1@10.632,-41.511
L_RS: J12.7 R81.4 | length 4
  Top Layer w0.2: J12.7@7.508,-42.195 8.517,-42.195 R81.4@10.632,-40.08
L_RST: J12.2 R75.1 | length 3.2
  Top Layer w0.2: J12.2@7.508,-32.195 10.384,-32.195 R75.1@10.632,-32.443
L_WR: J12.8 R91.2 | length 4
  Top Layer w0.2: J12.8@7.508,-44.195 7.661,-44.195 9.795,-42.061 R91.2@10.632,-42.061
LCD_CS: R91.5 U36.88 | length 30.3
  Top Layer w0.178: R91.5@11.432,-43.111 16.506,-43.111 16.998,-43.603
  Top Layer w0.2: 16.998,-43.603 20.491,-47.096 U36.88@40.061,-47.096
LCD_D0: R75.7 U36.61 | length 45.5
  Top Layer w0.178: R75.7@11.432,-32.993 13.325,-32.993 13.547,-33.215
  Top Layer w0.2: 13.547,-33.215 21.591,-41.259 32.993,-41.259 33.46,-41.726 35.975,-41.726 v1(37.118,-42.869) ; v1(41.563,-43.631) 47.797,-43.631 48.811,-42.617 U36.61@48.811,-39.346
  Bottom Layer w0.2: v1(37.118,-42.869) 37.88,-43.631 v1(41.563,-43.631)
LCD_D1: R80.8 U36.62 | length 43
  Top Layer w0.2: R80.8@11.432,-35.448 15.246,-35.448 21.435,-41.637 32.837,-41.637 33.561,-42.361 v1(35.721,-42.361) ; v1(41.436,-42.869) 47.493,-42.869 48.312,-42.051 U36.62@48.312,-39.346
  Bottom Layer w0.2: v1(35.721,-42.361) 35.741,-42.342 37.86,-42.342 38.388,-42.869 v1(41.436,-42.869)
LCD_D2: R80.7 U36.81 | length 31.8
  Top Layer w0.2: R80.7@11.432,-35.998 15.262,-35.998 21.278,-42.015 32.68,-42.015 33.413,-42.748 34.406,-42.748 35.253,-43.596 U36.81@40.061,-43.596
LCD_D3: R80.6 U36.82 | length 31.8
  Top Layer w0.2: R80.6@11.432,-36.498 15.227,-36.498 21.122,-42.393 32.524,-42.393 33.257,-43.126 34.022,-43.126 34.992,-44.096 U36.82@40.061,-44.096
LCD_D4: R80.5 U36.38 | length 49
  Top Layer w0.178: 15.552,-37.357 16.949,-38.754
  Top Layer w0.2: R80.5@11.432,-37.048 15.243,-37.048 15.552,-37.357 ; 16.949,-38.754 21.191,-42.996 v1(32.165,-42.996) ; v1(42.198,-45.282) 44.012,-47.096 U36.38@55.561,-47.096
  Bottom Layer w0.2: v1(32.165,-42.996) 33.684,-42.996 36.859,-46.171 41.119,-46.171 42.008,-45.282 v1(42.198,-45.282)
LCD_D5: R81.8 U36.39 | length 48
  Top Layer w0.2: R81.8@11.432,-38.48 15.615,-38.48 20.766,-43.631 v1(32.8,-43.631) ; v1(43.722,-45.917) 44.428,-46.624 55.534,-46.624 U36.39@55.561,-46.596
  Bottom Layer w0.2: v1(32.8,-43.631) 33.785,-43.631 36.706,-46.552 43.087,-46.552 v1(43.722,-45.917)
LCD_D6: R81.7 U36.40 | length 47.7
  Top Layer w0.2: R81.7@11.432,-39.03 15.63,-39.03 20.867,-44.266 v1(32.165,-44.266) ; v1(45.171,-46.096) U36.40@55.561,-46.096
  Bottom Layer w0.2: v1(32.165,-44.266) 33.673,-44.266 36.34,-46.933 44.333,-46.933 v1(45.171,-46.096)
LCD_D7: R81.6 U36.41 | length 48.1
  Top Layer w0.2: R81.6@11.432,-39.53 15.596,-39.53 20.968,-44.901 v1(32.8,-44.901) ; v1(46.516,-45.497) 46.615,-45.596 U36.41@55.561,-45.596
  Bottom Layer w0.2: v1(32.8,-44.901) 33.562,-44.901 35.975,-47.314 44.699,-47.314 v1(46.516,-45.497)
LCD_NWAIT: R91.6 U36.87 | length 30.3
  Top Layer w0.178: R91.6@11.432,-42.561 16.458,-42.561 16.731,-42.833
  Top Layer w0.2: 16.747,-42.817 20.525,-46.596 U36.87@40.061,-46.596
LCD_RD: R91.8 U36.85 | length 30.5
  Top Layer w0.178: R91.8@11.432,-41.511 16.508,-41.511 17.031,-42.033
  Top Layer w0.2: 17.031,-42.033 20.838,-45.84 38.261,-45.84 38.505,-45.596 U36.85@40.061,-45.596
LCD_RS: R81.5 U36.58 | length 45.9
  Top Layer w0.178: 16.1,-40.568 16.727,-41.195
  Top Layer w0.2: R81.5@11.432,-40.08 15.612,-40.08 16.1,-40.568 ; 16.727,-41.195 20.995,-45.462 36.684,-45.462 36.864,-45.282 v1(37.499,-45.282) ; v1(41.563,-44.393) 49.042,-44.393 50.312,-43.124 U36.58@50.312,-39.346
  Bottom Layer w0.2: v1(37.499,-45.282) 40.674,-45.282 v1(41.563,-44.393)
LCD_RST: R75.8 U36.77 | length 32.4
  Top Layer w0.2: R75.8@11.432,-32.443 13.309,-32.443 21.748,-40.881 33.199,-40.881 33.409,-41.091 v1(35.34,-41.091) ; v1(38.769,-41.091) 39.273,-41.596 U36.77@40.061,-41.596
  Bottom Layer w0.2: v1(35.34,-41.091) v1(38.769,-41.091)
LCD_WR: R91.7 U36.86 | length 30.4
  Top Layer w0.178: R91.7@11.432,-42.061 16.524,-42.061 16.896,-42.432
  Top Layer w0.2: 16.896,-42.432 20.682,-46.218 38.769,-46.218 38.891,-46.096 U36.86@40.061,-46.096
LED_BREATH: D19.2 U36.66 | length 24
  Top Layer w0.254: U36.66@46.311,-39.346 46.311,-34.575 47.943,-32.944 59.67,-32.944 62.39,-30.224 D19.2@63.697,-30.224
LED_EN: R102.1 U36.15 | length 57.5
  Top Layer w0.2: U36.15@48.811,-54.846 48.811,-59.569 55.785,-66.543 55.785,-73.362 v1(64.44,-82.017) ; v1(70.79,-82.017) 82.296,-82.017 85.801,-85.522 R102.1@86.868,-85.522
  Bottom Layer w0.2: v1(64.44,-82.017) v1(70.79,-82.017)
LED_NET: D20.2 U36.65 | length 22.8
  Top Layer w0.254: U36.65@46.811,-39.346 46.811,-34.686 48.122,-33.376 59.924,-33.376 61.551,-31.748 D20.2@63.697,-31.748
LED_PWR: J5.2 Q46.3 | length 26.5
  Top Layer w1: Q46.3@97.568,-84.785 100.838,-84.785 101.448,-84.176 v3(106.807,-84.176) ; v3(113.386,-84.176) 123.777,-84.176 J5.2@123.826,-84.127
  Bottom Layer w1: v3(106.807,-84.176) v3(113.386,-84.176)
LOG_RX: U36.79 U41.12 | length 50.8
  Top Layer w0.254: U41.12@26.783,-11.575 25.599,-11.575 24.576,-12.598 24.576,-17.004 19.9,-21.68 19.9,-26.659 18.472,-28.087 18.472,-32.43 24.757,-38.716 34.767,-38.716 38.647,-42.596 U36.79@40.061,-42.596
LOG_TX: U36.78 U41.11 | length 48.7
  Top Layer w0.254: U41.11@26.783,-12.845 25.421,-12.845 25.008,-13.259 25.008,-17.183 20.331,-21.859 20.331,-26.838 18.903,-28.266 18.903,-32.251 24.936,-38.284 34.946,-38.284 38.757,-42.096 U36.78@40.061,-42.096
MOTOR_CURRENT: R106.2 U35.1 U36.36 | length 50
  Top Layer w0.254: U36.36@55.561,-48.096 57.466,-48.096 58.369,-47.193 75.819,-47.193 v2(76.62,-46.392) ; U35.1@76.62,-20.327 78.53,-20.327 R106.2@78.688,-20.485
  Top Layer w0.4: v2(76.62,-32.549) U35.1@76.62,-20.327
  Bottom Layer w0.4: v2(76.62,-46.392) v2(76.62,-32.549)
MOTOR_GND1: J1.20 U3.7 U3.8 | length 14.8
  Top Layer w1: 113.894,-24.994 121.415,-24.994 J1.20@126.541,-30.12
MOTOR_GND2: J1.19 U7.7 U7.8 | length 14.4
  Top Layer w1: 113.995,-30.734 118.237,-30.734 119.736,-32.233 124.454,-32.233 J1.19@126.541,-34.32 ; J1.19@126.802,-34.058 J1.19@127.034,-34.289
MOTOR_GND3: J1.18 U11.7 U11.8 | length 13.9
  Top Layer w1: 113.868,-36.424 124.445,-36.424 J1.18@126.541,-38.52 ; J1.18@126.803,-38.257 J1.18@127.034,-38.488
MOTOR_GND4: J1.17 U16.7 U16.8 | length 14.4
  Top Layer w1: 114.046,-42.215 116.486,-42.215 118.086,-40.615 124.436,-40.615 J1.17@126.541,-42.72 ; J1.17@126.803,-42.458 J1.17@127.034,-42.689
MOTOR_GND5: J1.16 U19.7 U19.8 | length 15
  Top Layer w1: 114.071,-47.93 115.878,-47.93 119.002,-44.806 124.427,-44.806 J1.16@126.541,-46.92 ; J1.16@126.803,-46.657 J1.16@127.034,-46.888
MOTOR_GND6: J1.15 U22.7 U22.8 | length 16.2
  Top Layer w1: U22.8@113.956,-54.891 114.556,-54.891 120.455,-48.991 124.412,-48.991 J1.15@126.541,-51.12 ; J1.15@126.803,-50.858 J1.15@127.034,-51.089
MOTOR_GND7: J1.14 U24.7 U24.8 | length 18.2
  Top Layer w1: U24.8@113.956,-60.648 115.351,-60.648 117.611,-58.389 117.611,-55.595 119.992,-53.213 124.434,-53.213 J1.14@126.541,-55.32
MOTOR_GND8: J1.13 U27.7 U27.8 | length 15.8
  Top Layer w1: U27.8@113.956,-66.405 115.182,-66.405 119.967,-61.62 124.44,-61.62 J1.13@126.541,-59.52 ; J1.13@126.772,-59.751 J1.13@127.034,-59.489
MOTOR_GND9: J1.12 U29.7 U29.8 | length 19.3
  Top Layer w1: U29.8@113.956,-72.163 122.898,-72.163 124.469,-70.592 124.469,-65.792 J1.12@126.541,-63.72 ; J1.12@126.772,-63.951 J1.12@127.034,-63.69
MOTOR_GND10: J1.11 U33.7 U33.8 | length 21.6
  Top Layer w1: U33.8@113.956,-77.92 119.717,-77.92 123.705,-77.92 126.541,-75.085 126.541,-71.097 J1.11@126.541,-67.92
  Bottom Layer w1: J1.11@126.399,-67.888 J1.11@127.034,-67.888
MOTOR_L1: D37.1 U36.60 | length 45.6
  Top Layer w0.254: U36.60@49.312,-39.346 49.312,-37.996 53.449,-33.858 77.035,-33.858 86.281,-24.613 D37.1@87.995,-24.613
MOTOR_L2: D38.1 U36.57 | length 42.1
  Top Layer w0.254: U36.57@50.811,-39.346 50.811,-37.718 53.807,-34.722 77.393,-34.722 82.352,-29.763 D38.1@87.995,-29.763